# KiCad board swoon.kicad_pcb
title: Swoon; date: 2024-09-07; rev: 0.1; company: Octule
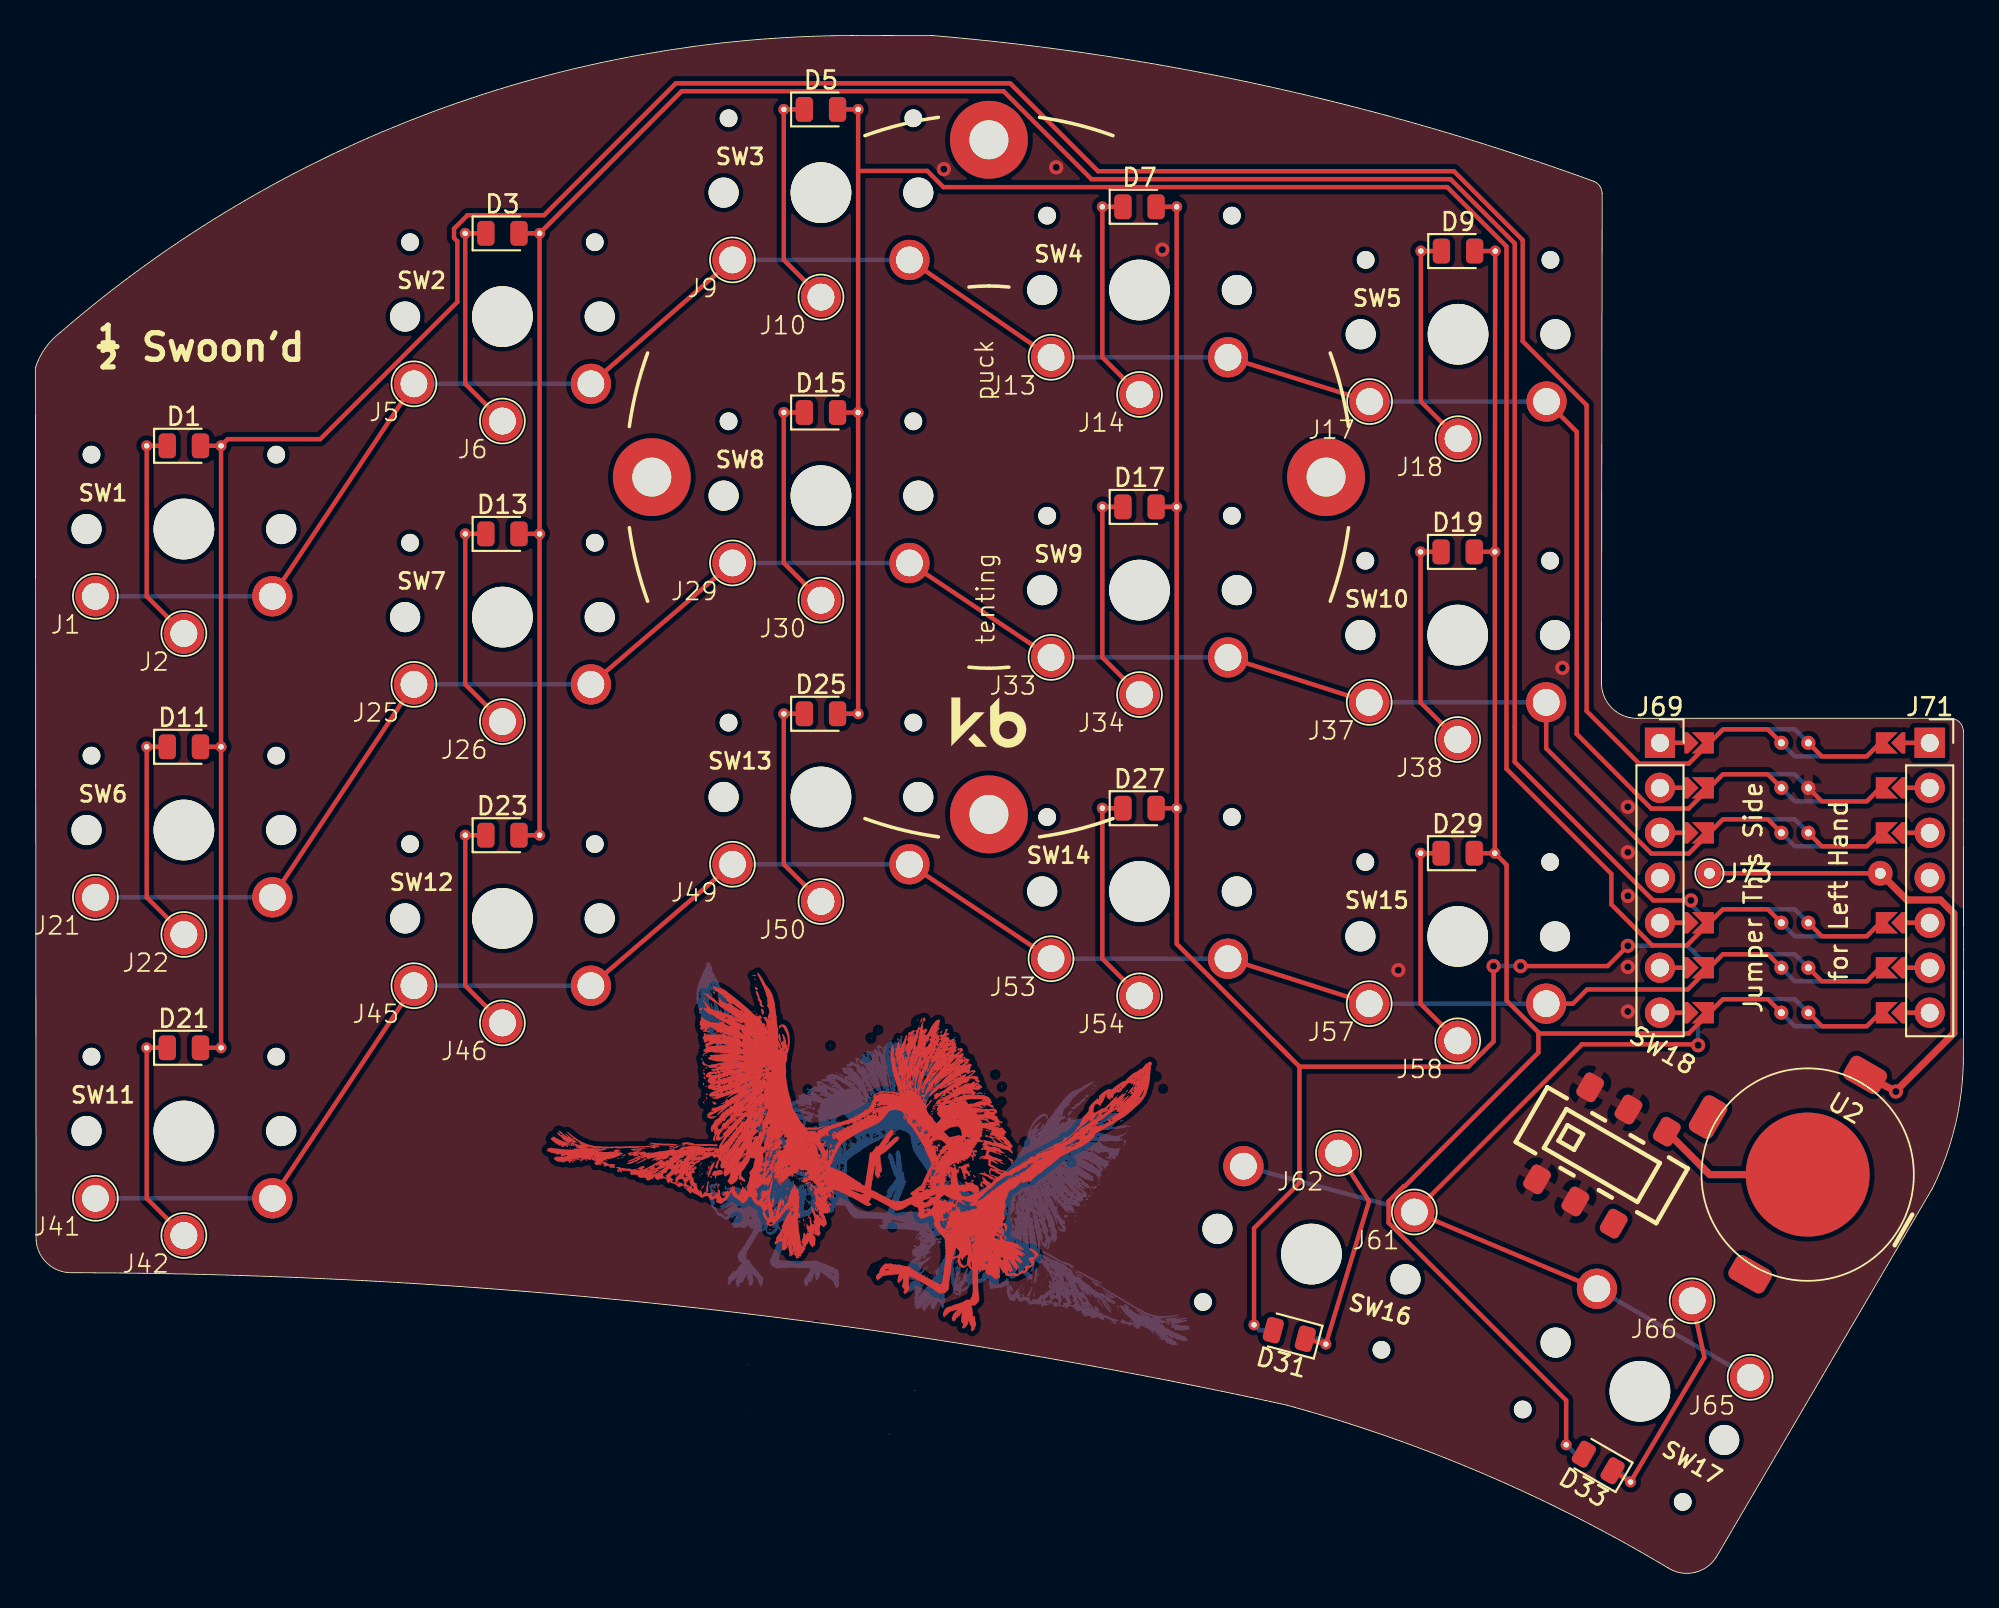
[diagram p0: board, top side]
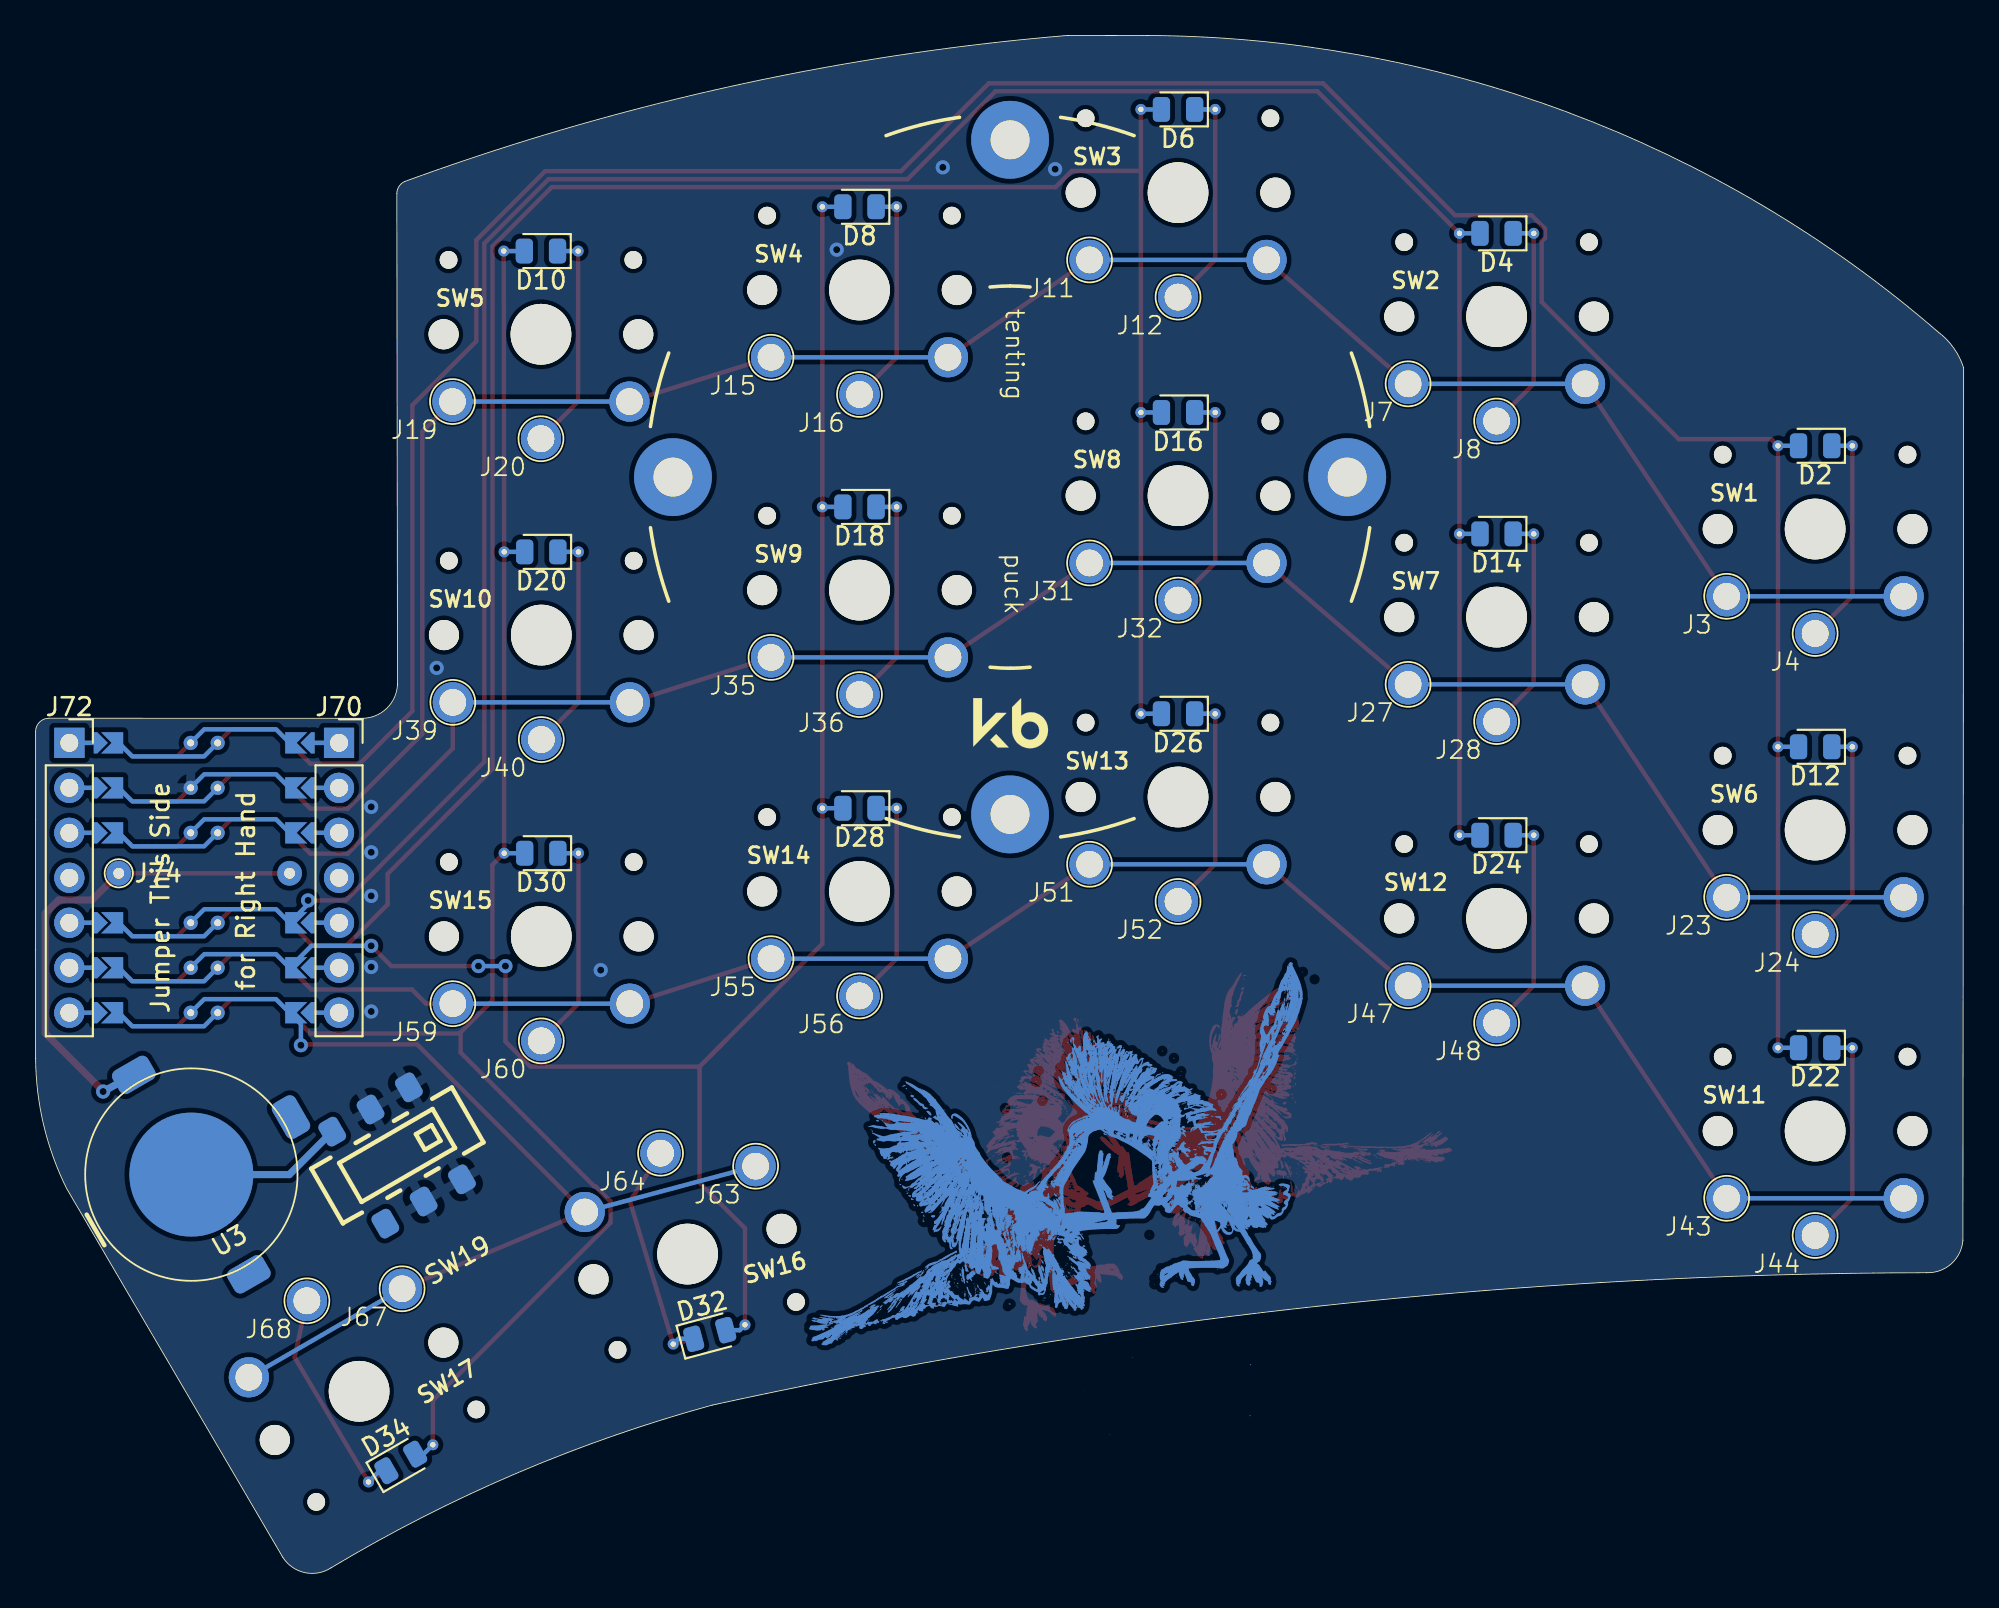
[diagram p1: board, bottom side, seen from below]

Outline 108.96 x 86.82 mm; copper layers: Top, Bottom. Coordinates in mm from the lower left corner of the outline.
Outline path: 0,68.04 0.04,18.77 arc(0.69,17.45) 2.08,16.94 arc(36.6,15.03) 70.72,9.46 arc(81.8,5.6) 92.25,0.27 arc(93.74,0) 94.98,0.87 107.2,21.71 arc(108.49,25.27) 108.94,29.03 108.96,35.17 108.94,42.53 108.95,47.5 arc(108.73,48.03) 108.2,48.25 90.53,48.25 arc(89.12,48.8) 88.49,50.18 88.53,77.88 arc(88.41,78.29) 88.1,78.56 arc(69.63,83.95) 50.6,86.82 46.4,86.81 arc(22.4,82.49) 1.43,70.06 arc(0.56,69.16) 0,68.04
Stack: Top 0.035mm / dielectric 1.51mm FR4 er 4.5 / Bottom 0.035mm

## Placement (name value [footprint] x y rotation side)
D1  CD4148WS  [D_0805_2012Metric]  8.39 63.64 0 top
D2  CD4148WS  [D_0805_2012Metric]  8.39 63.64 0 bottom
D3  CD4148WS  [D_0805_2012Metric]  26.39 75.64 0 top
D4  CD4148WS  [D_0805_2012Metric]  26.39 75.64 0 bottom
D5  CD4148WS  [D_0805_2012Metric]  44.39 82.64 0 top
D6  CD4148WS  [D_0805_2012Metric]  44.39 82.64 0 bottom
D7  CD4148WS  [D_0805_2012Metric]  62.39 77.14 0 top
D8  CD4148WS  [D_0805_2012Metric]  62.39 77.14 0 bottom
D9  CD4148WS  [D_0805_2012Metric]  80.39 74.64 0 top
D10  CD4148WS  [D_0805_2012Metric]  80.39 74.64 0 bottom
D11  CD4148WS  [D_0805_2012Metric]  8.39 46.64 0 top
D12  CD4148WS  [D_0805_2012Metric]  8.39 46.64 0 bottom
D13  CD4148WS  [D_0805_2012Metric]  26.39 58.66 0 top
D14  CD4148WS  [D_0805_2012Metric]  26.39 58.66 0 bottom
D15  CD4148WS  [D_0805_2012Metric]  44.39 65.52 0 top
D16  CD4148WS  [D_0805_2012Metric]  44.39 65.52 0 bottom
D17  CD4148WS  [D_0805_2012Metric]  62.39 60.19 0 top
D18  CD4148WS  [D_0805_2012Metric]  62.39 60.19 0 bottom
D19  CD4148WS  [D_0805_2012Metric]  80.37 57.65 0 top
D20  CD4148WS  [D_0805_2012Metric]  80.37 57.65 0 bottom
D21  CD4148WS  [D_0805_2012Metric]  8.39 29.64 0 top
D22  CD4148WS  [D_0805_2012Metric]  8.39 29.64 0 bottom
D23  CD4148WS  [D_0805_2012Metric]  26.39 41.65 0 top
D24  CD4148WS  [D_0805_2012Metric]  26.39 41.65 0 bottom
D25  CD4148WS  [D_0805_2012Metric]  44.39 48.5 0 top
D26  CD4148WS  [D_0805_2012Metric]  44.39 48.5 0 bottom
D27  CD4148WS  [D_0805_2012Metric]  62.39 43.17 0 top
D28  CD4148WS  [D_0805_2012Metric]  62.39 43.17 0 bottom
D29  CD4148WS  [D_0805_2012Metric]  80.37 40.63 0 top
D30  CD4148WS  [D_0805_2012Metric]  80.37 40.63 0 bottom
D31  CD4148WS  [D_0805_2012Metric]  70.85 13.45 165 top
D32  CD4148WS  [D_0805_2012Metric]  70.85 13.45 165 bottom
D33  CD4148WS  [D_0805_2012Metric]  88.31 6.22 150 top
D34  CD4148WS  [D_0805_2012Metric]  88.31 6.22 150 bottom
G1  -  [LOGO]  47.44 24.87 42 top
G2  -  [LOGO]  47.44 24.87 42 top
G3  -  [LOGO]  49.55 23.24 108 bottom
G4  -  [LOGO]  49.55 23.24 108 bottom
H1  Puck_Mounting_Pad  [Tenting_Puck2]  53.88 61.87 0 top
J1  -  [3305-0-15-80-47-27-10-0]  3.39 55.14 0 top
J2  -  [3305-0-15-80-47-27-10-0]  8.39 53.04 0 top
J3  -  [3305-0-15-80-47-27-10-0]  13.39 55.14 180 bottom
J4  -  [3305-0-15-80-47-27-10-0]  8.39 53.04 180 bottom
J5  -  [3305-0-15-80-47-27-10-0]  21.39 67.14 0 top
J6  -  [3305-0-15-80-47-27-10-0]  26.39 65.04 0 top
J7  -  [3305-0-15-80-47-27-10-0]  31.39 67.14 180 bottom
J8  -  [3305-0-15-80-47-27-10-0]  26.39 65.04 180 bottom
J9  -  [3305-0-15-80-47-27-10-0]  39.39 74.14 0 top
J10  -  [3305-0-15-80-47-27-10-0]  44.39 72.04 0 top
J11  -  [3305-0-15-80-47-27-10-0]  49.39 74.14 180 bottom
J12  -  [3305-0-15-80-47-27-10-0]  44.39 72.04 180 bottom
J13  -  [3305-0-15-80-47-27-10-0]  57.39 68.64 0 top
J14  -  [3305-0-15-80-47-27-10-0]  62.39 66.54 0 top
J15  -  [3305-0-15-80-47-27-10-0]  67.39 68.64 180 bottom
J16  -  [3305-0-15-80-47-27-10-0]  62.39 66.54 180 bottom
J17  -  [3305-0-15-80-47-27-10-0]  75.39 66.14 0 top
J18  -  [3305-0-15-80-47-27-10-0]  80.39 64.04 0 top
J19  -  [3305-0-15-80-47-27-10-0]  85.39 66.14 180 bottom
J20  -  [3305-0-15-80-47-27-10-0]  80.39 64.04 180 bottom
J21  -  [3305-0-15-80-47-27-10-0]  3.39 38.14 0 top
J22  -  [3305-0-15-80-47-27-10-0]  8.39 36.04 0 top
J23  -  [3305-0-15-80-47-27-10-0]  13.39 38.14 180 bottom
J24  -  [3305-0-15-80-47-27-10-0]  8.39 36.04 180 bottom
J25  -  [3305-0-15-80-47-27-10-0]  21.39 50.16 0 top
J26  -  [3305-0-15-80-47-27-10-0]  26.39 48.06 0 top
J27  -  [3305-0-15-80-47-27-10-0]  31.39 50.16 180 bottom
J28  -  [3305-0-15-80-47-27-10-0]  26.39 48.06 180 bottom
J29  -  [3305-0-15-80-47-27-10-0]  39.39 57.02 0 top
J30  -  [3305-0-15-80-47-27-10-0]  44.39 54.92 0 top
J31  -  [3305-0-15-80-47-27-10-0]  49.39 57.02 180 bottom
J32  -  [3305-0-15-80-47-27-10-0]  44.39 54.92 180 bottom
J33  -  [3305-0-15-80-47-27-10-0]  57.39 51.69 0 top
J34  -  [3305-0-15-80-47-27-10-0]  62.39 49.59 0 top
J35  -  [3305-0-15-80-47-27-10-0]  67.39 51.69 180 bottom
J36  -  [3305-0-15-80-47-27-10-0]  62.39 49.59 180 bottom
J37  -  [3305-0-15-80-47-27-10-0]  75.37 49.15 0 top
J38  -  [3305-0-15-80-47-27-10-0]  80.37 47.05 0 top
J39  -  [3305-0-15-80-47-27-10-0]  85.37 49.15 180 bottom
J40  -  [3305-0-15-80-47-27-10-0]  80.37 47.05 180 bottom
J41  -  [3305-0-15-80-47-27-10-0]  3.39 21.14 0 top
J42  -  [3305-0-15-80-47-27-10-0]  8.39 19.04 0 top
J43  -  [3305-0-15-80-47-27-10-0]  13.39 21.14 180 bottom
J44  -  [3305-0-15-80-47-27-10-0]  8.39 19.04 180 bottom
J45  -  [3305-0-15-80-47-27-10-0]  21.39 33.15 0 top
J46  -  [3305-0-15-80-47-27-10-0]  26.39 31.05 0 top
J47  -  [3305-0-15-80-47-27-10-0]  31.39 33.15 180 bottom
J48  -  [3305-0-15-80-47-27-10-0]  26.39 31.05 180 bottom
J49  -  [3305-0-15-80-47-27-10-0]  39.39 40 0 top
J50  -  [3305-0-15-80-47-27-10-0]  44.39 37.9 0 top
J51  -  [3305-0-15-80-47-27-10-0]  49.39 40 180 bottom
J52  -  [3305-0-15-80-47-27-10-0]  44.39 37.9 180 bottom
J53  -  [3305-0-15-80-47-27-10-0]  57.39 34.67 0 top
J54  -  [3305-0-15-80-47-27-10-0]  62.39 32.57 0 top
J55  -  [3305-0-15-80-47-27-10-0]  67.39 34.67 180 bottom
J56  -  [3305-0-15-80-47-27-10-0]  62.39 32.57 180 bottom
J57  -  [3305-0-15-80-47-27-10-0]  75.37 32.13 0 top
J58  -  [3305-0-15-80-47-27-10-0]  80.37 30.03 0 top
J59  -  [3305-0-15-80-47-27-10-0]  85.37 32.13 180 bottom
J60  -  [3305-0-15-80-47-27-10-0]  80.37 30.03 180 bottom
J61  -  [3305-0-15-80-47-27-10-0]  77.92 20.37 0 top
J62  -  [3305-0-15-80-47-27-10-0]  73.63 23.69 0 top
J63  -  [3305-0-15-80-47-27-10-0]  68.26 22.95 180 bottom
J64  -  [3305-0-15-80-47-27-10-0]  73.63 23.69 180 bottom
J65  -  [3305-0-15-80-47-27-10-0]  96.9 11.03 0 top
J66  -  [3305-0-15-80-47-27-10-0]  93.62 15.35 0 top
J67  -  [3305-0-15-80-47-27-10-0]  88.24 16.03 180 bottom
J68  -  [3305-0-15-80-47-27-10-0]  93.62 15.35 180 bottom
J69  310-13-107-41-001000  [MF254V-11-07-0743]  91.8 39.24 270 top
J70  310-13-107-41-001000  [MF254V-11-07-0743]  91.8 39.24 270 bottom
J71  310-13-107-41-001000  [MF254V-11-07-0743]  107.04 39.24 270 top
J72  310-13-107-41-001000  [MF254V-11-07-0743]  107.04 39.24 270 bottom
J73  Mill Max 0906-2-15-20-75-14-11-0  [0906-2-15-20-75-14-11-0]  94.59 39.5 0 top
J74  Mill Max 0906-2-15-20-75-14-11-0  [0906-2-15-20-75-14-11-0]  104.25 39.5 180 bottom
SW1  SW_Push  [SW_PG1350_vias]  8.39 58.94 0 top
SW2  SW_Push  [SW_PG1350_vias]  26.39 70.94 0 top
SW3  SW_Push  [SW_PG1350_vias]  44.39 77.94 0 top
SW4  SW_Push  [SW_PG1350_vias]  62.39 72.44 0 top
SW5  SW_Push  [SW_PG1350_vias]  80.39 69.94 0 top
SW6  SW_Push  [SW_PG1350_vias]  8.39 41.94 0 top
SW7  SW_Push  [SW_PG1350_vias]  26.39 53.96 0 top
SW8  SW_Push  [SW_PG1350_vias]  44.39 60.82 0 top
SW9  SW_Push  [SW_PG1350_vias]  62.39 55.49 0 top
SW10  SW_Push  [SW_PG1350_vias]  80.37 52.95 0 top
SW11  SW_Push  [SW_PG1350_vias]  8.39 24.94 0 top
SW12  SW_Push  [SW_PG1350_vias]  26.39 36.95 0 top
SW13  SW_Push  [SW_PG1350_vias]  44.39 43.8 0 top
SW14  SW_Push  [SW_PG1350_vias]  62.39 38.47 0 top
SW15  SW_Push  [SW_PG1350_vias]  80.37 35.93 0 top
SW16  SW_Push  [SW_PG1350_vias]  72.11 17.99 165 top
SW17  SW_Push  [SW_PG1350_vias]  90.67 10.24 150 top
SW18  MST22D18G2 125  [SW-SMD_MST22D18G2]  88.52 23.56 330 top
SW19  MST22D18G2 125  [SW-SMD_MST22D18G2]  88.52 23.56 330 bottom
TP1  TestPoint_Small  [TestPoint_Pad_Empty]  93.87 46.86 0 top
TP2  TestPoint_Small  [TestPoint_Pad_Empty]  104.97 46.86 180 bottom
TP3  TestPoint_Small  [TestPoint_Pad_Empty]  93.87 44.32 0 top
TP4  TestPoint_Small  [TestPoint_Pad_Empty]  104.97 44.31 180 bottom
TP5  TestPoint_Small  [TestPoint_Pad_Empty]  93.87 41.78 0 top
TP6  TestPoint_Small  [TestPoint_Pad_Empty]  104.97 41.77 180 bottom
TP7  TestPoint_Small  [TestPoint_Pad_Empty]  93.87 36.7 0 top
TP8  TestPoint_Small  [TestPoint_Pad_Empty]  104.97 36.69 180 bottom
TP9  TestPoint_Small  [TestPoint_Pad_Empty]  93.87 34.16 0 top
TP10  TestPoint_Small  [TestPoint_Pad_Empty]  104.97 34.16 180 bottom
TP11  TestPoint_Small  [TestPoint_Pad_Empty]  93.87 31.62 0 top
TP12  TestPoint_Small  [TestPoint_Pad_Empty]  104.97 31.61 180 bottom
TP13  TestPoint_Small  [TestPoint_Pad_Empty]  105.05 36.7 0 top
TP14  TestPoint_Small  [TestPoint_Pad_Empty]  93.8 36.7 180 bottom
TP15  TestPoint_Small  [TestPoint_Pad_Empty]  105.05 34.16 0 top
TP16  TestPoint_Small  [TestPoint_Pad_Empty]  93.8 34.15 180 bottom
TP17  TestPoint_Small  [TestPoint_Pad_Empty]  105.05 31.62 0 top
TP18  TestPoint_Small  [TestPoint_Pad_Empty]  93.8 31.62 180 bottom
TP19  TestPoint_Small  [TestPoint_Pad_Empty]  105.05 44.32 0 top
TP20  TestPoint_Small  [TestPoint_Pad_Empty]  93.8 44.31 180 bottom
U1  xiao-kbd  [xiao_nRF52840_extra]  99.42 39.24 270 top
U2  MY-LR44-02  [BAT-SMD_MY-LR44-02]  100.15 22.48 330 top
U3  MY-LR44-02  [BAT-SMD_MY-LR44-02]  100.15 22.48 330 bottom

## Library data of the parts
D1 D3 D5 D7 D9 D11 D13 D15 D17 D19 D21 D23 D25 D27 D29 D31 D33 = -: Description: 75V 0.15A Switching Diode, 0805; Sim.Device: D; Sim.Pins: 1=K 2=A; LCSC: C38587762; Config: +left,+flip; MPN: CD4148WS(0805C); left:Footprint: Swoon:D_0805_2012Metric; right:Footprint: Swoon:TestPoint_Pad_Empty; flip:Footprint: Swoon:D_0805_2012Metric; ki_fp_filters: D*0805*
D2 D4 D6 D8 D10 D12 D14 D16 D18 D20 D22 D24 D26 D28 D30 D32 D34 = -: Description: 75V 0.15A Switching Diode, 0805; Sim.Device: D; Sim.Pins: 1=K 2=A; LCSC: C38587762; Config: +right,+flip; MPN: CD4148WS(0805C); left:Footprint: Swoon:TestPoint_Pad_Empty; right:Footprint: Swoon:D_0805_2012Metric; flip:Footprint: Swoon:D_0805_2012Metric; ki_fp_filters: D*0805*
H1 = -: Description: Generic connectable mounting pin connector, double row, 02x02, counter clockwise pin numbering scheme (similar to DIP package numbering), script generated (kicad-library-utils/schlib/autogen/connector/); left:Footprint: Swoon:Tenting_Puck2; right:Footprint: Swoon:Tenting_Puck2; flip:Footprint: Swoon:Tenting_Puck2; ki_fp_filters: Connector*:*_2x??-1MP*
J1 J2 J5 J6 J9 J10 J13 J14 J17 J18 J21 J22 J25 J26 J29 J30 J33 J34 J37 J38 J41 J42 J45 J46 J49 J50 J53 J54 J57 J58 J61 J62 J65 J66 = -: Datasheet: https://www.mill-max.com/products/datasheet/pinsrecs/3305-0-15-80-47-27-10-0; Description: Generic connector, single row, 01x01, script generated; LCSC: C17370797; Config: +left; left:Footprint: Swoon:3305-0-15-80-47-27-10-0; right:Footprint: Swoon:TestPoint_Pad_Empty; flip:Footprint: Swoon:TestPoint_Pad_Empty; ki_fp_filters: Connector*:*_1x??_*
J3 J4 J7 J8 J11 J12 J15 J16 J19 J20 J23 J24 J27 J28 J31 J32 J35 J36 J39 J40 J43 J44 J47 J48 J51 J52 J55 J56 J59 J60 J63 J64 J67 J68 = -: Datasheet: https://www.mill-max.com/products/datasheet/pinsrecs/3305-0-15-80-47-27-10-0; Description: Generic connector, single row, 01x01, script generated; LCSC: C17370797; Config: +right; left:Footprint: Swoon:TestPoint_Pad_Empty; right:Footprint: Swoon:3305-0-15-80-47-27-10-0; flip:Footprint: Swoon:TestPoint_Pad_Empty; ki_fp_filters: Connector*:*_1x??_*
J69 J71 = -: Datasheet: https://www.mill-max.com/products/datasheet/sockets/310-13-107-41-001000; Description: Generic connector, single row, 01x07, script generated; LCSC: C5504401; Config: +left; left:Footprint: Swoon:MF254V-11-07-0743; right:Footprint: Swoon:TestPoint_Pad_Empty; flip:Footprint: Swoon:TestPoint_Pad_Empty; ki_fp_filters: Connector*:*_1x??_*
J70 J72 = -: Datasheet: https://www.mill-max.com/products/datasheet/sockets/310-13-107-41-001000; Description: Generic connector, single row, 01x07, script generated; LCSC: C5504401; Config: +right; left:Footprint: Swoon:TestPoint_Pad_Empty; right:Footprint: Swoon:MF254V-11-07-0743; flip:Footprint: Swoon:TestPoint_Pad_Empty; ki_fp_filters: Connector*:*_1x??_*
J73 = -: Datasheet: https://www.mill-max.com/products/datasheet/pinsrecs/0906-2-15-20-75-14-11-0; Description: Generic connector, single row, 01x01, script generated; LCSC: C5261048; Config: +left; MPN: 0906-2-15-20-75-14-11-0; left:Footprint: Swoon:0906-2-15-20-75-14-11-0; right:Footprint: Swoon:TestPoint_Pad_Empty; flip:Footprint: Swoon:TestPoint_Pad_Empty; ki_fp_filters: Connector*:*_1x??_*
J74 = -: Datasheet: https://www.mill-max.com/products/datasheet/pinsrecs/0906-2-15-20-75-14-11-0; Description: Generic connector, single row, 01x01, script generated; LCSC: C5261048; Config: +right; MPN: 0906-2-15-20-75-14-11-0; left:Footprint: Swoon:TestPoint_Pad_Empty; right:Footprint: Swoon:0906-2-15-20-75-14-11-0; flip:Footprint: Swoon:TestPoint_Pad_Empty; ki_fp_filters: Connector*:*_1x??_*
SW1-SW17 = -: Datasheet: https://www.lcsc.com/datasheet/lcsc_datasheet_1912111437_Kailh-CPG135001D01_C400229.pdf; left:Footprint: Swoon:SW_PG1350_vias; right:Footprint: Swoon:SW_PG1350_vias; flip:Footprint: Swoon:SW_PG1350_vias
SW18 = -: Datasheet: https://wmsc.lcsc.com/wmsc/upload/file/pdf/v2/lcsc/2110190930_SHOU-HAN-MST22D18G2-125_C2906280.pdf; LCSC: C2906280; Config: +left,+flip; left:Footprint: Swoon:SW-SMD_MST22D18G2; right:Footprint: Swoon:TestPoint_Pad_Empty; flip:Footprint: Swoon:SW-SMD_MST22D18G2
SW19 = -: Datasheet: https://wmsc.lcsc.com/wmsc/upload/file/pdf/v2/lcsc/2110190930_SHOU-HAN-MST22D18G2-125_C2906280.pdf; LCSC: C2906280; Config: +right,+flip; left:Footprint: Swoon:TestPoint_Pad_Empty; right:Footprint: Swoon:SW-SMD_MST22D18G2; flip:Footprint: Swoon:SW-SMD_MST22D18G2
TP1 TP3 TP5 TP7 TP9 TP11 TP13 TP15 TP17 TP19 = -: Description: test point; Config: +left; left:Footprint: Swoon:TestPoint_Pad_1.0x1.0mm; right:Footprint: Swoon:TestPoint_Pad_Empty; flip:Footprint: Swoon:TestPoint_Pad_Empty; ki_fp_filters: Pin* Test*
TP2 TP4 TP6 TP8 TP10 TP12 TP14 TP16 TP18 TP20 = -: Description: test point; Config: +right; left:Footprint: Swoon:TestPoint_Pad_Empty; right:Footprint: Swoon:TestPoint_Pad_1.0x1.0mm; flip:Footprint: Swoon:TestPoint_Pad_Empty; ki_fp_filters: Pin* Test*
U1 = -: left:Footprint: Swoon:xiao_nRF52840_extra; right:Footprint: Swoon:xiao_nRF52840_extra; flip:Footprint: Swoon:xiao_nRF52840_extra; Field10: USB-C
U2 = -: Datasheet: https://wmsc.lcsc.com/wmsc/upload/file/pdf/v2/lcsc/2111120930_MYOUNG-MY-LR44-02_C2902345.pdf; LCSC: C2902345; Config: +left,+flip; left:Footprint: Swoon:BAT-SMD_MY-LR44-02; right:Footprint: Swoon:TestPoint_Pad_Empty; flip:Footprint: Swoon:BAT-SMD_MY-LR44-02
U3 = -: Datasheet: https://wmsc.lcsc.com/wmsc/upload/file/pdf/v2/lcsc/2111120930_MYOUNG-MY-LR44-02_C2902345.pdf; LCSC: C2902345; Config: +right,+flip; left:Footprint: Swoon:TestPoint_Pad_Empty; right:Footprint: Swoon:BAT-SMD_MY-LR44-02; flip:Footprint: Swoon:BAT-SMD_MY-LR44-02

## Footprints (pads in the part's own frame, mm; a bottom-side part is the same pattern mirrored in y, then rotated)
0906-2-15-20-75-14-11-0
  round 1.4 hole 0.6: 1(0,0)
3305-0-15-80-47-27-10-0
  round 2.262 hole 1.5: 1(0,0)
BAT-SMD_MY-LR44-02
  round 7 smd: 1(0,0)
  rrect 2.3x1.5 smd: 2(0,6.5) 4(0,-6.5)
  rrect 1.5x2.3 smd: 3(-6.5,0)
D_0805_2012Metric
  rrect 0.975x1.4 smd: 1(-0.938,0) 2(0.938,0)
MF254V-11-07-0743
  rect 1.7x1.7 hole 1: 1(-7.62,0)
  oval 1.7x1.7 hole 1: 2(-5.08,0) 3(-2.54,0) 4(0,0) 5(2.54,0) 6(5.08,0) 7(7.62,0)
SW-SMD_MST22D18G2
  rrect 1.2x1.5 smd: 1(-2.5,3) 2(0,3) 3(2.5,3) 4(-2.5,-3) 5(0,-3) 6(2.5,-3)
SW_PG1350_vias
  round 1.7 hole 1.7 unplated: (-5.5,0) (5.5,0)
  round 1 hole 1 unplated: (-5.22,4.2) (5.22,4.2)
  round 3.429 hole 3.429 unplated: (0,0)
  round 2.262 hole 1.5: 1(-5,-3.8) 1(5,-3.8) 2(0,-5.9)
  round 0.62 hole 0.31: 2(-2.1,4.7) 3(2.1,4.7)
Tenting_Puck2
  round 4.4 hole 2.2: 1(-19.05,0) 2(0,-19.05) 3(19.05,0) 4(0,19.05)
TestPoint_Pad_Empty
  round 0.001 smd: 1(0,0)
xiao_nRF52840_extra
  custom 1.2x1.25 smd far side: 1(-7.62,4.826) 2(-5.08,4.826) 3(-2.54,4.826) 5(2.54,4.826) 6(5.08,4.826) 7(7.62,4.826) 8(7.62,-4.826) 9(5.08,-4.826) 10(2.54,-4.826) 12(-2.54,-4.826) 13(-5.08,-4.826) 14(-7.62,-4.826)
  custom 1.012x4.314 smd: 1(-7.62,-0.762) 2(-5.08,-0.762) 3(-2.54,-0.762) 5(2.54,-0.762) 6(5.08,-0.762) 7(7.62,-0.762)
  custom 1.016x5.838 smd far side: 1(-7.62,-0.762) 2(-5.08,-0.762) 3(-2.54,-0.762) 5(2.54,-0.762) 6(5.08,-0.762) 7(7.62,-0.762) 8(7.62,0.762) 9(5.08,0.762) 10(2.54,0.762) 12(-2.54,0.762) 13(-5.08,0.762) 14(-7.62,0.762)
  round 0.8 hole 0.4: 1(-7.62,-0.762) 2(-5.08,-0.762) 3(-2.54,-0.762) 5(2.54,-0.762) 6(5.08,-0.762) 7(7.62,-0.762) 8(7.62,0.762) 9(5.08,0.762) 10(2.54,0.762) 12(-2.54,0.762) 13(-5.08,0.762) 14(-7.62,0.762)
  custom 1.2x1.25 smd: 1(-7.62,-4.826) 2(-5.08,-4.826) 3(-2.54,-4.826) 5(2.54,-4.826) 6(5.08,-4.826) 7(7.62,-4.826) 8(7.62,4.826) 9(5.08,4.826) 10(2.54,4.826) 12(-2.54,4.826) 13(-5.08,4.826) 14(-7.62,4.826)
  custom 1.016x4.314 smd: 8(7.62,0.762) 9(5.08,0.762) 10(2.54,0.762) 12(-2.54,0.762) 13(-5.08,0.762) 14(-7.62,0.762)
  round 1.2 hole 0.6: 15(-0.254,4.826) 15(-0.254,-4.826)
  custom 1.2x0.8 smd: 16(-7.62,-5.842) 17(-5.08,-5.842) 18(-2.54,-5.842) 20(2.54,-5.842) 21(5.08,-5.842) 22(7.62,-5.842) 23(7.62,5.842) 24(5.08,5.842) 25(2.54,5.842) 27(-2.54,5.842) 28(-5.08,5.842) 29(-7.62,5.842)
  custom 1.2x0.8 smd far side: 16(-7.62,-5.842) 17(-5.08,-5.842) 18(-2.54,-5.842) 20(2.54,-5.842) 21(5.08,-5.842) 22(7.62,-5.842) 23(7.62,5.842) 24(5.08,5.842) 25(2.54,5.842) 27(-2.54,5.842) 28(-5.08,5.842) 29(-7.62,5.842)
  custom 0.25x1.5 smd: 16(-7.62,-6.35) 17(-5.08,-6.35) 18(-2.54,-6.35) 20(2.54,-6.35) 21(5.08,-6.35) 22(7.62,-6.35) 23(7.62,6.35) 24(5.08,6.35) 25(2.54,6.35) 27(-2.54,6.35) 28(-5.08,6.35) 29(-7.62,6.35)
  custom 0.25x1.5 smd far side: 16(-7.62,-6.35) 17(-5.08,-6.35) 18(-2.54,-6.35) 20(2.54,-6.35) 21(5.08,-6.35) 22(7.62,-6.35) 23(7.62,6.35) 24(5.08,6.35) 25(2.54,6.35) 27(-2.54,6.35) 28(-5.08,6.35) 29(-7.62,6.35)
  round 1.2 hole 0.8: 16(-7.62,-7.62) 17(-5.08,-7.62) 18(-2.54,-7.62) 19(0,-7.62) 20(2.54,-7.62) 21(5.08,-7.62) 22(7.62,-7.62) 23(7.62,7.62) 24(5.08,7.62) 25(2.54,7.62) 26(0,7.62) 27(-2.54,7.62) 28(-5.08,7.62) 29(-7.62,7.62)

## Nets
GND: SW18.1 SW18.2 SW18.4 SW18.5 SW19.1 SW19.2 SW19.4 SW19.5 U1.13
/BAT+: J73.1 J74.1 U1.15 U2.2 U3.4
/col1: D1.2 D2.2 D11.2 D12.2 D21.2 D22.2 SW1.3 SW6.3 SW11.3 U1.1
/col2: D3.2 D4.2 D13.2 D14.2 D23.2 D24.2 SW2.3 SW7.3 SW12.3 U1.10
/col3: D5.2 D6.2 D15.2 D16.2 D25.2 D26.2 SW3.3 SW8.3 SW13.3 U1.5
/col4: D7.2 D8.2 D17.2 D18.2 D27.2 D28.2 D31.2 D32.2 SW4.3 SW9.3 SW14.3 SW16.3 U1.9
/col5: D9.2 D10.2 D19.2 D20.2 D29.2 D30.2 D33.2 D34.2 SW5.3 SW10.3 SW15.3 SW17.3 U1.7
/row1: J1.1 J3.1 J5.1 J7.1 J9.1 J11.1 J13.1 J15.1 J17.1 J19.1 SW1.1 SW2.1 SW3.1 SW4.1 SW5.1 U1.2
/row2: J21.1 J23.1 J25.1 J27.1 J29.1 J31.1 J33.1 J35.1 J37.1 J39.1 SW6.1 SW7.1 SW8.1 SW9.1 SW10.1 U1.3
/row3: J41.1 J43.1 J45.1 J47.1 J49.1 J51.1 J53.1 J55.1 J57.1 J59.1 SW11.1 SW12.1 SW13.1 SW14.1 SW15.1 U1.6
/row4: J61.1 J63.1 J65.1 J67.1 SW16.1 SW17.1 U1.8
Net-(D1-K): D1.1 D2.1 J2.1 J4.1 SW1.2
Net-(D3-K): D3.1 D4.1 J6.1 J8.1 SW2.2
Net-(D5-K): D5.1 D6.1 J10.1 J12.1 SW3.2
Net-(D7-K): D7.1 D8.1 J14.1 J16.1 SW4.2
Net-(D10-K): D9.1 D10.1 J18.1 J20.1 SW5.2
Net-(D11-K): D11.1 D12.1 J22.1 J24.1 SW6.2
Net-(D13-K): D13.1 D14.1 J26.1 J28.1 SW7.2
Net-(D15-K): D15.1 D16.1 J30.1 J32.1 SW8.2
Net-(D17-K): D17.1 D18.1 J34.1 J36.1 SW9.2
Net-(D19-K): D19.1 D20.1 J38.1 J40.1 SW10.2
Net-(D21-K): D21.1 D22.1 J42.1 J44.1 SW11.2
Net-(D23-K): D23.1 D24.1 J46.1 J48.1 SW12.2
Net-(D25-K): D25.1 D26.1 J50.1 J52.1 SW13.2
Net-(D27-K): D27.1 D28.1 J54.1 J56.1 SW14.2
Net-(D29-K): D29.1 D30.1 J58.1 J60.1 SW15.2
Net-(D31-K): D31.1 D32.1 J62.1 J64.1 SW16.2
Net-(D33-K): D33.1 D34.1 J66.1 J68.1 SW17.2
Net-(J69-Pin_1): J69.1 J70.1 TP1.1 U1.16
Net-(J69-Pin_2): J69.2 J70.2 TP3.1 TP20.1 U1.17
Net-(J69-Pin_3): J69.3 J70.3 TP5.1 U1.18
Net-(J69-Pin_4): J69.4 J70.4 U1.19
Net-(J69-Pin_5): J69.5 J70.5 TP7.1 TP14.1 U1.20
Net-(J69-Pin_6): J69.6 J70.6 TP9.1 TP16.1 U1.21
Net-(J69-Pin_7): J69.7 J70.7 TP11.1 TP18.1 U1.22
Net-(J71-Pin_1): J71.1 J72.1 TP2.1 U1.29
Net-(J71-Pin_2): J71.2 J72.2 TP4.1 TP19.1 U1.28
Net-(J71-Pin_3): J71.3 J72.3 TP6.1 U1.27
Net-(J71-Pin_4): J71.4 J72.4 U1.26
Net-(J71-Pin_5): J71.5 J72.5 TP8.1 TP13.1 U1.25
Net-(J71-Pin_6): J71.6 J72.6 TP10.1 TP15.1 U1.24
Net-(J71-Pin_7): J71.7 J72.7 TP12.1 TP17.1 U1.23
Net-(SW18-Pad3): SW18.3 U2.1
Net-(SW19-Pad6): SW19.6 U3.1

Pads without a net: H1 1 2 3 4; SW18 6; SW19 3; U1 12 14; U2 3 4; U3 2 3

## Via types
v1: diameter 0.8, hole 0.4, Top to Bottom, 16 vias

## Routing (per net, layer and track width the routed paths; a pad name or vN(x,y) marks a point on that pad's centre or on a via; arc(x,y) is an arc through that point)
GND:
  vias: v1(51.33,79.26) v1(57.68,79.37) v1(63.68,74.72) v1(77.01,34.03) v1(86.28,51.1) v1(89.98,43.25) v1(89.98,40.68) v1(89.98,38.22) v1(89.98,34.2) v1(89.98,31.69)
/BAT+: length 31.7
  Top w0.25: U1.15 U1.15 ; U2.2 104.19,28.11
  Top w0.4: U2.2 v1(105.13,27.17) 105.13,27.19 108.41,30.47 108.41,37.23 107.65,37.99 105.75,37.99 U1.15
  Bottom w0.25: 104.19,28.11 U2.2
  Bottom w0.4: v1(105.13,27.17) U2.2
/col1: length 166.1
  Top w0.25: SW1.3 10.86,64.01 16.09,64.01 23.84,71.76 23.84,75.19 23.65,75.38 23.65,75.9 24.42,76.66 28.74,76.66 36.19,84.11 55.08,84.11 60.05,79.15 80.15,79.15 84.04,75.26 84.04,69.55 87.66,65.93 87.66,48.66 90.62,45.69 93.42,45.69 U1.1 ; SW1.3 D1.2 ; SW1.3 SW6.3 ; D21.2 SW11.3 SW6.3 ; SW6.3 D11.2
  Bottom w0.25: D11.2 SW6.3 ; D1.2 SW1.3 ; D21.2 SW11.3
/col2: length 147.1
  Top w0.25: SW2.3 D3.2 ; SW2.3 SW7.3 ; SW2.3 36.51,83.66 54.71,83.66 59.68,78.7 79.96,78.7 83.59,75.07 83.59,45.79 91.42,37.96 v1(93.55,37.96) ; SW7.3 D13.2 ; SW7.3 SW12.3 D23.2
  Bottom w0.25: U1.10 93.55,37.75 v1(93.55,37.96) ; D3.2 SW2.3 ; D13.2 SW7.3 ; D23.2 SW12.3
/col3: length 126.2
  Top w0.25: 46.49,79.11 46.54,79.16 50.4,79.16 51.31,78.25 79.78,78.25 83.12,74.9 83.12,45.39 89.05,39.46 89.05,37.74 91.36,35.42 93.32,35.42 U1.5 ; SW8.3 SW13.3 D25.2 ; SW8.3 D15.2 ; SW8.3 SW3.3 D5.2
  Bottom w0.25: D5.2 SW3.3 ; D15.2 SW8.3 ; D25.2 SW13.3
/col4: length 105.7
  Top w0.25: SW9.3 SW14.3 ; SW9.3 D17.2 ; SW9.3 SW4.3 D7.2 ; SW14.3 D27.2 ; SW14.3 64.49,35.51 70.82,29.19 ; 71.43,28.57 69.91,30.1 ; 71.43,28.57 71.43,22.01 68.86,19.45 SW16.3 ; 71.43,28.57 80.97,28.57 82.4,30 v1(82.4,34.26) ; v1(89.98,35.4) 88.84,34.26 v1(83.92,34.26)
  Bottom w0.25: D31.2 69.16,13.69 SW16.3 ; v1(83.92,34.26) v1(82.4,34.26) 82.4,34.1 ; U1.9 93.36,35.4 89.99,35.4 ; D27.2 SW14.3 ; D17.2 SW9.3 ; D7.2 SW4.3
/col5: length 94.5
  Top w0.25: SW15.3 83.13,39.97 83.13,32.31 84.93,30.51 ; SW15.3 D29.2 ; SW15.3 SW10.3 ; SW17.3 86.5,9.73 76.46,19.76 76.46,20.97 77.32,21.82 77.38,21.82 84.93,29.37 84.93,30.51 ; SW10.3 D19.2 ; SW10.3 SW5.3 D9.2 ; 84.93,30.51 84.99,30.45 93.42,30.45 U1.7
  Bottom w0.25: D19.2 SW10.3 ; D9.2 SW5.3 ; SW17.3 87.03,6.69 D33.2 ; D29.2 SW15.3
/row1: length 122.4
  Top w0.25: U1.2 93.42,43.15 91.31,43.15 87.09,47.37 87.09,64.43 SW5.1 ; SW3.1 SW4.1 ; SW2.1 SW3.1 ; SW1.1 SW2.1 ; SW4.1 SW5.1
  Bottom w0.25: SW1.1 SW1.1 ; SW2.1 SW2.1 ; SW5.1 SW5.1 ; SW3.1 SW3.1 ; SW4.1 SW4.1
/row2: length 107.7
  Top w0.25: SW10.1 85.37,46.55 91.31,40.61 93.42,40.61 94.59,41.78 ; SW6.1 SW7.1 ; SW8.1 SW9.1 ; SW9.1 SW10.1 ; SW7.1 SW8.1
  Bottom w0.25: SW8.1 SW8.1 ; SW6.1 SW6.1 ; SW10.1 SW10.1 ; SW7.1 SW7.1 ; SW9.1 SW9.1
/row3: length 104
  Top w0.25: SW14.1 SW15.1 ; SW13.1 SW14.1 ; U1.6 93.37,32.93 87.68,32.93 86.88,32.13 SW15.1 86.04,32.8 ; SW12.1 SW13.1 ; SW11.1 SW12.1
  Bottom w0.25: SW14.1 SW14.1 ; SW11.1 SW11.1 ; SW15.1 SW15.1 ; SW13.1 SW13.1 ; SW12.1 SW12.1
/row4: length 53.3
  Top w0.25: v1(93.95,29.79) 93.9,29.84 87.39,29.84 SW16.1 SW17.1
  Bottom w0.25: v1(93.95,29.79) 93.95,30.98 U1.8 ; SW16.1 SW16.1 ; SW17.1 SW17.1
Net-(D1-K): length 13.9
  Top w0.25: SW1.2 6.29,55.14 SW1.2 D1.1
  Bottom w0.25: 7.49,63.64 7.52,63.67 ; 7.49,63.64 SW1.2 ; 7.49,63.64 D1.1
Net-(D3-K): length 13.8
  Top w0.25: SW2.2 24.29,67.14 SW2.2 D3.1
  Bottom w0.25: D3.1 SW2.2
Net-(D5-K): length 13.8
  Top w0.25: SW3.2 42.29,74.14 SW3.2 D5.1
  Bottom w0.25: D5.1 SW3.2
Net-(D7-K): length 13.8
  Top w0.25: D7.1 SW4.2 60.29,68.64 SW4.2
  Bottom w0.25: D7.1 SW4.2
Net-(D10-K): length 13.8
  Top w0.25: SW5.2 78.29,66.14 SW5.2 D9.1
  Bottom w0.25: D9.1 SW5.2
Net-(D11-K): length 13.8
  Top w0.25: D11.1 SW6.2 6.29,38.14 SW6.2
  Bottom w0.25: D11.1 SW6.2
Net-(D13-K): length 13.8
  Top w0.25: SW7.2 24.29,50.16 SW7.2 D13.1
  Bottom w0.25: D13.1 SW7.2
Net-(D15-K): length 13.8
  Top w0.25: SW8.2 42.29,57.02 SW8.2 D15.1
  Bottom w0.25: D15.1 SW8.2
Net-(D17-K): length 13.8
  Top w0.25: SW9.2 60.29,51.69 SW9.2 D17.1
  Bottom w0.25: D17.1 SW9.2
Net-(D19-K): length 13.8
  Top w0.25: D19.1 SW10.2 78.27,49.15 SW10.2
  Bottom w0.25: D19.1 SW10.2
Net-(D21-K): length 13.8
  Top w0.25: D21.1 SW11.2 6.29,21.14 SW11.2
  Bottom w0.25: D21.1 SW11.2
Net-(D23-K): length 13.8
  Top w0.25: D23.1 SW12.2 24.29,33.15 SW12.2
  Bottom w0.25: D23.1 SW12.2
Net-(D25-K): length 13.8
  Top w0.25: SW13.2 42.29,40 SW13.2 D25.1
  Bottom w0.25: D25.1 SW13.2
Net-(D27-K): length 13.8
  Top w0.25: SW14.2 60.29,34.67 SW14.2 D27.1
  Bottom w0.25: D27.1 SW14.2
Net-(D29-K): length 13.8
  Top w0.25: SW15.2 78.27,32.13 SW15.2 D29.1
  Bottom w0.25: D29.1 SW15.2
Net-(D31-K): length 14.1
  Top w0.25: D31.1 SW16.2 75.36,20.97 SW16.2
  Bottom w0.25: D31.1 72.62,13.21 SW16.2
Net-(D33-K): length 13.9
  Top w0.25: D33.1 SW17.2 94.31,12.16 SW17.2
  Bottom w0.25: SW17.2 89.5,5.75 D33.1
Net-(SW18-Pad3): length 9
  Top w0.4: SW18.3 94.61,22.48 U2.1
Net-(SW19-Pad6): length 9
  Bottom w0.4: U3.1 94.61,22.48 SW19.6

## Copper pours and planes (outline as drawn; the poured copper is in the pictures)
GND on Top, Bottom: -3.45,89.78 113.39,89.78 113.39,-4.2 -3.45,-4.2

## Text on the board
B.Mask: Swoon
B.Silkscreen: Jumper This Side / for Right Hand
F.Mask: Swoon
F.Silkscreen: Jumper This Side / for Left Hand | ½ Swoon'd
